# Altium PCB Digitalizador_RPi.PcbDoc (part 3 of 3)
Units mm, origin at the board's own origin, x right, y up, seen from the top; angles counter-clockwise.
Board outline 132.08 x 105.41 mm, 2 copper layers (Top Layer, Bottom Layer); 278 components, 186 nets, 854 pads, 225 vias.
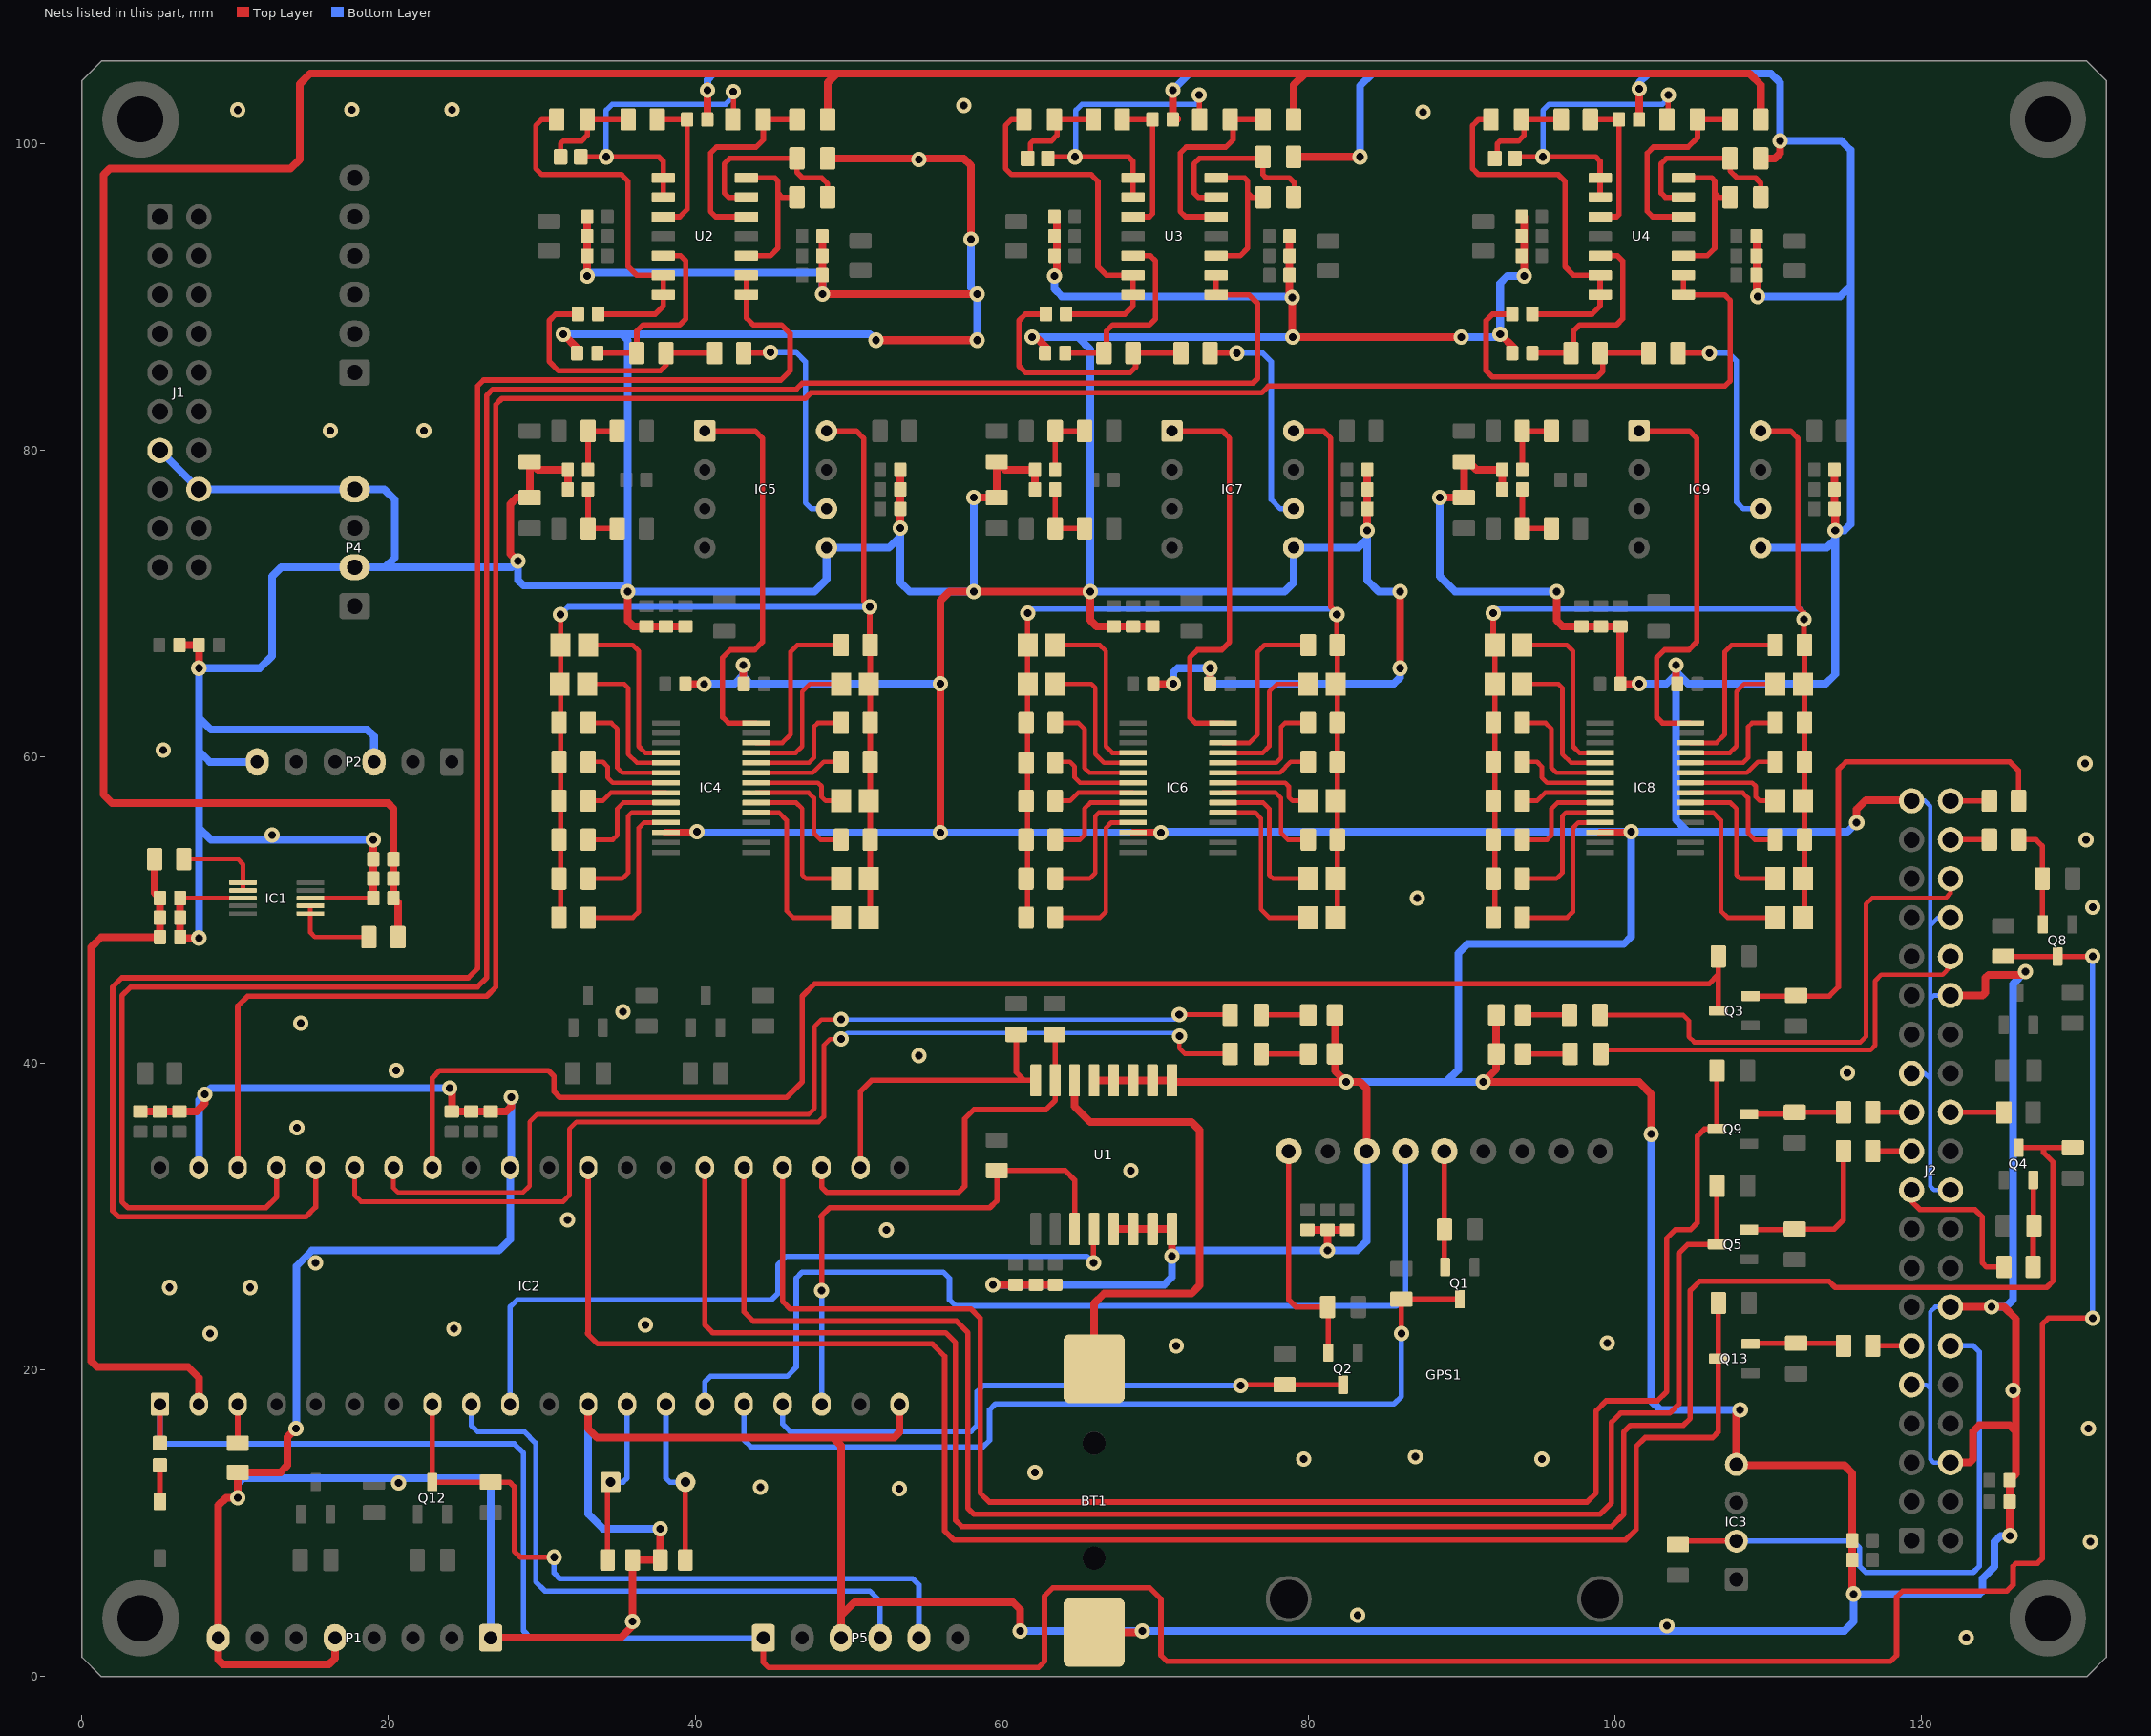
[diagram p3: the nets of this part, all layers, seen from the top]

## Via types
v1: diameter 1, hole 0.5, Top Layer to Bottom Layer, tented both sides, 225 vias

## Nets (pads, with @x,y where several pads share a name; then routed paths per layer and width w, separated by ;. In a path a pad name is that pad's centre, name@x,y a point inside that pad or via, vN(x,y) a via of type N, cw(c..) or ccw(c..) an arc to the next point about the centre after c; other vN are vias at no path point) (continued)
GND: BT1.2 C1.2 C2.2 C3.2 C4.2 C5.2 C6.2 C7.2 C8.2 C9.2 C10.2 C11.2 C12.2 C13.2 C14.2 C15.2 C16.2 C17.2 C18.2 C19.2 C20.2 C21.2 C22.2 C23.2 C24.2 C25.1 C26.1 C29.2 C30.2 C31.2 C32.2 C33.2 C34.2 C35.1 C36.2 C37.2 C39.2 C40.2 C41.2 C42.2 C43.2 C44.2 C45.2 C46.2 C47.2 C50.2 C51.2 C52.2 C53.2 C54.2 C55.2 C56.1 C57.2 C58.2 C60.2 C61.2 C62.2 C63.2 C64.2 C65.2 C66.2 C67.2 C68.2 C71.2 C72.2 C73.2 C74.2 C75.2 C76.2 C77.1 C78.2 C79.2 C81.2 C82.2 C83.2 C84.2 C85.2 C86.2 C87.2 C88.2 C89.2 D2.1 D3.1 D4.1 D5.1 GPS1.2 IC1.3 IC1.8 IC2.12 IC2.20 IC2.31 IC2.39 IC3.4 IC4.12 IC5.5 IC6.12 IC7.5 IC8.12 IC9.5 J1.13 J1.16 J2.6 J2.9 J2.14 J2.20 J2.25 J2.30 J2.34 J2.39 P1.1 P1.5 P1.8 P2.3 P2.6 P4.2 P4.4 P5.3 R18.1 R56.1 R72.2 R80.1 R90.1 R106.2 R114.1 R124.1 R140.2 R148.1 U1.5 U1.6 U1.7 U1.8 U1.9 U1.10 U1.11 U1.12 U1.13 | length 1327.8
  Top Layer w0.3: C4.2@6.4,50.8 IC1.3@10.5,50.8 ; IC1.8@14.9,50.8 C9.2@19,50.8
  Top Layer w0.5: C22.2@3.81,36.88 C23.2@5.08,36.88 C24.2@6.35,36.88 7.48,36.88 8,37.4 v1(8,38) ; C7.2@6.35,67.31 C8.2@7.62,67.31 v1(7.62,65.8) ; C4.2@6.4,50.8 C5.2@6.4,49.53 C6.2@6.4,48.26 6.46,48.2 v1(7.62,48.2) ; v1(13.97,16.2) 13.4,15.63 13.4,13.79 12.95,13.34 R18.1@10.16,13.34 v1(10.16,11.684) 9.4,11.684 8.89,11.174 P1.8@8.89,2.54 8.89,1.11 9.2,0.8 16.11,0.8 16.51,1.2 P1.5@16.51,2.54 ; C9.2@19,50.8 C10.2@19,52.07 C11.2@19,53.34 v1(19,54.61) ; v1(24,38.4) 24.13,38.27 C19.2@24.13,36.88 C20.2@25.4,36.88 C21.2@26.67,36.88 27.68,36.88 28,37.2 v1(28,37.8) ; P1.1@26.67,2.54 35.14,2.54 35.93,3.33 v1(35.93,3.6) C25.1@35.93,7.62 C26.1@37.73,7.62 v1(37.73,9.652) ; v1(28.45,72.8) 28.4,72.8 27.94,73.26 27.94,76.51 28.36,76.93 R56.1@29.21,76.93 R72.2@29.21,79.28 29.75,78.74 C39.2@31.7,78.74 C35.1@31.7,77.47 ; v1(31.4,87.6) 32.31,86.69 C40.2@32.31,86.36 ; v1(32.97,91.4) C31.2@32.97,92.71 C30.2@32.97,93.98 C29.2@32.97,95.25 ; IC2.12@33.02,17.78 33.02,16.18 33.6,15.6 49,15.6 ; v1(35.6,70.8) 35.6,68.91 35.98,68.53 C45.2@36.83,68.53 C46.2@38.1,68.53 C47.2@39.37,68.53 ; IC4.12@38.1,55.08 40.094,55.08 v1(40.132,55.118) ; C36.2@39.37,64.77 v1(40.6,64.77) ; C41.2@40.798,101.6 v1@40.798,103.798 ; v1(43.154,66) 43.154,64.796 C37.2@43.18,64.77 ; C32.2@48.31,93.98 C33.2@48.31,92.71 C34.2@48.31,91.44 v1(48.31,90.2) v1(58.4,90.2) ; R80.1@48.65,99.06 57.54,99.06 58,98.6 v1(58,93.8) ; P5.3@49.53,2.54 49.53,4 ; v1(51.8,87.2) v1(58.4,87.2) ; IC2.20@53.34,17.78 53.34,15.94 53,15.6 49,15.6 ; C44.2@53.39,78.74 C43.2@53.39,77.47 C42.2@53.39,76.2 53.39,74.94 v1(53.4,74.93) ; v1(56,55.08) v1(56,64.8) 56,70.2 56.6,70.8 v1(58.2,70.8) v1(65.8,70.8) 65.8,68.934 66.204,68.53 C66.2@67.31,68.53 C67.2@68.58,68.53 C68.2@69.85,68.53 ; v1(58.2,76.93) R90.1@59.69,76.93 R106.2@59.69,79.28 60.23,78.74 C60.2@62.18,78.74 C56.1@62.18,77.47 ; v1(59.436,25.581) C14.2@60.91,25.581 C13.2@62.23,25.581 C12.2@63.5,25.581 ; v1(61.2,3) 61.2,4.4 60.73,4.87 50.4,4.87 49.53,4 ; v1@62.052,87.6 62.962,86.69 C61.2@62.962,86.36 ; v1@63.622,91.4 C50.2@63.622,95.25 ; BT1.2@66.04,2.89 69.09,2.89 v1(69.2,3) ; U1.13@66.04,38.91 U1.12@67.31,38.91 U1.11@68.58,38.91 U1.10@69.85,38.91 U1.9@71.12,38.91 71.23,38.8 v1(82.48,38.8) ; U1.5@67.31,29.21 U1.6@68.58,29.21 U1.7@69.85,29.21 U1.8@71.12,29.21 v1(71.12,27.432) ; IC6.12@68.58,55.08 v1(70.4,55.08) ; C57.2@69.9,64.77 71.17,64.77 v1(71.2,64.8) ; v1(71.17,103.518) 71.17,101.88 C62.2@71.45,101.6 ; v1(73.6,65.8) 73.6,64.78 C58.2@73.61,64.77 ; C53.2@78.79,93.98 C54.2@78.79,92.71 C55.2@78.79,91.44 78.79,90.172 v1(78.962,90) 78.962,87.438 v1(79,87.4) v1(90,87.4) ; R114.1@79.06,99.162 v1(83.4,99.162) ; C3.2@79.96,29.16 C2.2@81.28,29.16 ; v1(81.28,27.8) C2.2@81.28,29.16 ; D3.1@81.76,43.18 D2.1@81.76,40.64 81.76,39.52 v1(82.48,38.8) ; C1.2@82.55,29.16 C2.2@81.28,29.16 ; GPS1.2@83.82,34.29 83.82,38.38 83.4,38.8 v1(82.48,38.8) ; v1(83.87,74.8) C65.2@83.87,76.2 C64.2@83.87,77.47 C63.2@83.87,78.74 ; v1(86,65.8) v1(86,70.8) ; v1(88.6,76.93) R124.1@90.17,76.93 R140.2@90.17,79.28 90.46,79.28 91,78.74 C81.2@92.66,78.74 C77.1@92.66,77.47 ; D5.1@92.28,43.18 D4.1@92.28,40.64 92.28,39.64 v1(91.44,38.8) 101.6,38.8 102.4,38 v1(102.4,35.4) ; v1(92.532,87.6) 93.442,86.69 C82.2@93.442,86.36 ; v1(94.102,91.4) C71.2@94.102,95.25 ; v1(96.214,70.8) 96.214,68.926 96.61,68.53 C87.2@97.84,68.53 C88.2@99.11,68.53 C89.2@100.38,68.53 C78.2@100.38,64.77 101.57,64.77 v1(101.6,64.8) ; IC8.12@99.06,55.08 100.838,55.08 100.876,55.118 v1(101.092,55.118) ; C83.2@101.6,101.93 v1@101.6,103.468 ; v1(104,66) 104,64.86 C79.2@104.09,64.77 ; v1(108.2,17.4) 107.95,17.15 IC3.4@107.95,13.85 108.01,13.79 115,13.79 115.52,13.27 C15.2@115.52,8.89 C16.2@115.52,7.62 115.52,5.48 v1(115.6,5.4) ; C74.2@109.27,93.98 C75.2@109.27,92.71 C76.2@109.27,91.44 109.27,90.13 v1(109.335,90.065) ; R148.1@109.54,99.06 110.46,99.06 110.8,99.4 v1(110.8,100.2) ; C84.2@114.35,78.74 C85.2@114.35,77.47 C86.2@114.35,76.2 114.4,76.15 v1(114.4,74.8) ; v1(115.8,55.73) 115.8,56.6 116.4,57.2 119.33,57.2 J2.39@119.38,57.15 ; J2.6@121.92,13.97 123.17,13.97 123.4,14.2 123.4,16 123.8,16.4 125.78,16.4 126.2,15.98 ; J2.14@121.92,24.13 v1(124.6,24.13) 125.41,24.13 126.2,23.34 126.2,15.98 ; J2.30@121.92,44.45 124.01,44.45 124.2,44.64 124.2,45.6 124.4,45.8 126.6,45.8 v1(126.8,46) ; v1(125.8,9.2) 125.8,11.41 C17.2@125.78,11.43 C18.2@125.78,12.82 126.2,13.24 126.2,15.98 ; 49,15.6 49.53,15.07 49.53,4
  Bottom Layer w0.3: J2.9@119.38,19.05 120.35,19.05 120.6,18.8 ; J2.25@119.38,39.37 120.23,39.37 120.6,39 ; J2.39@119.38,57.15 120.25,57.15 120.6,56.8 120.6,49 ; J2.6@121.92,13.97 120.83,13.97 120.6,14.2 120.6,18.8 ; J2.14@121.92,24.13 120.93,24.13 120.6,23.8 120.6,18.8 ; J2.20@121.92,31.75 120.85,31.75 120.6,32 120.6,39 ; J2.30@121.92,44.45 120.85,44.45 120.6,44.2 ; J2.34@121.92,49.53 121.13,49.53 120.6,49 ; 120.6,39 120.6,44.2 ; 120.6,44.2 120.6,49
  Bottom Layer w0.5: J1.13@5.08,80.01 J1.16@7.62,77.47 P4.4@17.78,77.47 19.73,77.47 20.4,76.8 20.4,73 19.79,72.39 ; IC2.39@7.62,33.21 7.62,37.62 v1(8,38) 8.4,38.4 v1(24,38.4) ; v1(7.62,48.2) 7.62,55.4 ; v1(10.16,11.684) 10.16,12.6 10.514,12.954 26,12.954 26.67,12.284 P1.1@26.67,2.54 ; P2.6@11.43,59.69 8.33,59.69 7.62,60.4 ; v1(13.97,16.2) 14,16.23 14,26.8 15,27.8 27.2,27.8 27.94,28.54 IC2.31@27.94,33.21 28,33.27 v1(28,37.8) ; v1(19,54.61) 8.41,54.61 7.62,55.4 ; P2.3@19.05,59.69 19.05,61.35 18.6,61.8 8.4,61.8 7.62,62.58 ; v1(31.4,87.6) 35.2,87.6 ; v1(32.97,91.4) 33.17,91.6 48,91.6 48.31,91.29 v1(48.31,90.2) ; IC2.12@33.02,17.78 33.02,10.632 34,9.652 v1(37.73,9.652) ; v1(40.132,55.118) 40.17,55.08 v1(56,55.08) v1(70.4,55.08) 70.438,55.118 v1(101.092,55.118) ; v1(40.6,64.77) 40.63,64.8 42.6,64.8 43.154,65.354 ; v1(40.8,103.518) 40.8,104.2 41.2,104.6 72.252,104.6 ; v1(43.154,66) 43.154,65.354 ; v1(51.8,87.2) 51.4,87.6 35.2,87.6 ; v1(53.4,74.93) 53.4,74.4 ; v1(56,64.8) 43.6,64.8 43.154,65.246 43.154,65.354 ; v1(58,93.8) 58,90.6 v1(58.4,90.2) v1(58.4,87.2) ; v1(58.2,76.93) v1(58.2,70.8) 54,70.8 53.4,71.4 53.4,74.4 ; v1(59.436,25.581) 70.621,25.581 71.12,26.08 v1(71.12,27.432) 71.488,27.8 v1(81.28,27.8) 83.2,27.8 83.82,28.42 GPS1.2@83.82,34.29 ; v1(61.2,3) v1(69.2,3) 115,3 115.6,3.6 v1(115.6,5.4) 123.8,5.4 124,5.6 124,6.4 124.8,7.2 124.8,8.8 125.2,9.2 v1(125.8,9.2) ; v1(62,87.4) 65,87.4 ; v1(63.45,91.4) 63.45,90.55 63.935,90.065 78.897,90.065 v1(78.962,90) ; v1(71.17,103.518) 72.252,104.6 ; v1(71.2,64.8) 71.2,65.52 71.48,65.8 v1(73.6,65.8) 73.6,65 73.8,64.8 85.6,64.8 86,65.2 v1(86,65.8) ; v1(79,87.4) 65,87.4 ; v1(82.48,38.8) 89,38.8 ; v1(83.4,99.162) 83.4,103.8 84.2,104.6 ; v1(83.87,74.8) 83.87,74.27 ; v1(86,70.8) 84.6,70.8 83.87,71.53 83.87,74.27 ; v1(88.6,76.93) 88.6,71.8 89.6,70.8 v1(96.214,70.8) ; v1(90,87.4) 92.332,87.4 v1(92.532,87.6) 92.532,90.932 93,91.4 v1(94.102,91.4) ; v1(91.44,38.8) 89,38.8 ; v1(101.6,64.8) 103.4,64.8 104,65.4 ; v1(101.6,103.6) 101.6,104 102.2,104.6 ; v1(102.4,35.4) 102.4,18 103,17.4 v1(108.2,17.4) ; v1(104,66) v1@104,65.6 ; v1(109.335,90.065) 114.735,90.065 115.4,90.73 ; IC9.5@109.54,73.66 113.86,73.66 114.4,74.2 ; v1(115.8,55.73) 115.188,55.118 104.8,55.118 ; v1(124.6,24.13) 125.53,24.13 126,24.6 126,45.2 v1(126.8,46) ; 7.62,55.4 7.62,60.4 ; 7.62,60.4 7.62,62.58 ; 7.62,62.58 v1(7.62,65.8) 11.6,65.8 12.4,66.6 12.4,71.8 12.99,72.39 P4.2@17.78,72.39 19.79,72.39 ; 19.79,72.39 28.04,72.39 v1(28.45,72.8) 28.45,71.55 28.8,71.2 35.2,71.2 v1(35.6,70.8) ; 35.2,87.6 35.6,87.2 v1(35.6,70.8) ; v1(35.6,70.8) 47.8,70.8 48.6,71.6 48.58,71.62 IC5.5@48.58,73.66 52.66,73.66 53.4,74.4 ; 65,87.4 65.8,86.6 v1(65.8,70.8) 78.46,70.8 79.06,71.4 IC7.5@79.06,73.66 83.26,73.66 83.87,74.27 ; 72.252,104.6 84.2,104.6 ; 84.2,104.6 102.2,104.6 ; 89,38.8 89.8,39.6 89.8,47.2 90.4,47.8 100.6,47.8 101.092,48.292 v1(101.092,55.118) ; v1(101.092,55.118) 104.8,55.118 ; 102.2,104.6 110.2,104.6 110.8,104 v1(110.8,100.2) 114.8,100.2 115.4,99.6 115.4,90.73 ; 104,65.4 v1@104,65.6 ; 104,65.4 104,55.918 104.8,55.118 ; v1@104,65.6 104.8,64.8 113.8,64.8 114.4,65.4 114.4,74.2 ; 114.4,74.2 v1(114.4,74.8) 115,74.8 115.4,75.2 115.4,90.73
  other v1: 122.949,2.54 103.41,3.337 83.24,4.01 131.063,8.8 53.34,12.282 44.263,12.352 20.658,12.648 62.18,13.342 79.727,14.196 95.25,14.196 87,14.352 130.931,16.2 126,18.675 71.404,21.59 99.538,21.76 8.359,22.4 24.269,22.693 36.751,22.955 5.715,25.4 10.957,25.4 15.24,27 52.482,29.16 31.671,29.819 68.443,33.02 14.029,35.83 115.188,39.413 20.487,39.55 54.61,40.531 14.267,42.64 35.291,43.377 131.2,50.223 87.137,50.8 130.767,54.61 12.392,54.906 130.716,59.6 5.3,60.466 16.189,81.29 22.303,81.29 54.6,99 87.497,102.071 10.16,102.214 17.6,102.235 24.13,102.235 57.54,102.513
INT_FROM_PIC_3.3V: Q13.2 R27.1 R43.2 | length 6.2
  Top Layer w0.35: Q13.2@108.87,21.72 108.91,21.76 R43.2@111.85,21.76 114.77,21.76 R27.1@114.94,21.59
INT_FROM_PIC_5V: IC2.29 Q13.3 R44.2 | length 111.4
  Top Layer w0.35: IC2.29@33.02,33.21 33.02,22.45 32.97,22.4 33.65,21.72 55.48,21.72 56.29,20.91 56.29,9.51 56.881,8.919 100.719,8.919 101.4,9.6 101.4,15 102,15.6 106.4,15.6 106.77,15.97 Q13.3@106.77,20.76 R44.2@106.77,24.39
MCLR: IC2.1 P5.1 Q8.3 R13.1 R26.2 | length 204.2
  Top Layer w0.35: R13.1@5.08,15.24 IC2.1@5.08,17.78 ; P5.1@44.45,2.54 44.45,0.95 44.8,0.6 62.4,0.6 62.8,1 62.8,5.26 63.34,5.8 69.68,5.8 70.4,5.08 70.4,1.4 70.8,1 118,1 118.4,1.4 118.4,5.2 118.8,5.6 125.6,5.6 126,6 126,7.2 126.2,7.4 127.6,7.4 127.91,7.71 127.91,23 128.31,23.4 v1(131.2,23.4) ; R26.2@125.37,46.99 Q8.3@128.91,46.99 v1(131.2,46.99)
  Bottom Layer w0.35: IC2.1@5.08,17.78 5.08,15.52 5.4,15.2 28.2,15.2 28.8,14.6 28.8,3 29.26,2.54 P5.1@44.45,2.54 ; v1(131.2,23.4) v1(131.2,46.99)
MISO_RPI_3.3V: Q5.2 R16.2 R30.1 | length 10.9
  Top Layer w0.35: Q5.2@108.78,29.17 111.72,29.17 R16.2@111.76,29.21 114.34,29.21 114.93,29.8 114.93,34.28 R30.1@114.94,34.29
MISO_RPI_5V: IC2.25 Q5.3 R17.2 | length 105
  Top Layer w0.35: IC2.25@43.18,33.21 43.18,23.82 43.8,23.2 57.05,23.2 57.8,22.45 57.8,11 58.2,10.6 99.05,10.6 99.8,11.35 99.8,16.6 100.4,17.2 103.596,17.2 103.6,17.196 104.2,17.796 104.2,27.63 104.78,28.21 Q5.3@106.68,28.21 R17.2@106.68,32.02
MOSI_RPI_3.3V: Q4.2 R14.2 R29.1 | length 5.7
  Top Layer w0.35: R29.1@127.31,26.735 127.31,29.381 R14.2@127.36,29.431 127.32,29.471 Q4.2@127.32,32.411
MOSI_RPI_5V: IC2.26 Q4.3 R15.2 | length 138
  Top Layer w0.35: IC2.26@40.64,33.21 40.64,22.96 41.15,22.45 56.35,22.45 57,21.8 57,10.2 57.4,9.8 99.8,9.8 100.6,10.6 100.6,15.97 101.03,16.4 104.49,16.4 104.936,16.846 104.936,25.2 105.536,25.8 114,25.8 114.4,25.4 128.2,25.4 128.6,25.8 128.6,33.6 128,34.2 128,34.521 ; Q4.3@126.36,34.511 126.37,34.521 128,34.521 ; R15.2@129.91,34.521 128,34.521
NetBT1_1: BT1.1 U1.14 | length 32.3
  Top Layer w0.5: U1.14@64.77,38.91 64.77,37.208 65.778,36.2 72.39,36.2 72.93,35.66 72.93,25.53 72.4,25 66.68,25 66.04,24.36 BT1.1@66.04,20.09
NetC27_1: C27.1 R61.2 R62.1 | length 16.7
  Top Layer w0.35: C27.1@32.36,88.9 30.9,88.9 30.48,88.48 30.48,85.82 31.1,85.2 37.73,85.2 38.1,85.57 R62.1@38.1,86.36 R61.2@41.28,86.36
NetC27_2: C27.2 R65.1 U2.6 U2.7 | length 25.3
  Top Layer w0.35: R65.1@30.97,101.6 30,101.6 29.6,101.2 29.6,98.4 30,98 35.2,98 35.634,97.566 35.634,92 36.194,91.44 U2.6@37.928,91.44 U2.7@37.928,90.17 37.928,89.428 37.4,88.9 C27.2@33.68,88.9
NetC28_1: C28.1 R65.2 R66.1 | length 6.5
  Top Layer w0.35: C28.1@31.22,99.162 31.22,100.02 31.4,100.2 32.6,100.2 32.97,100.57 R65.2@32.97,101.6 R66.1@35.634,101.6
NetC28_2: C28.2 R69.1 U2.1 U2.2 | length 21.7
  Top Layer w0.35: C28.2@32.54,99.162 v1(34.2,99.162) 37.638,99.162 37.928,98.872 U2.1@37.928,97.79 U2.2@37.928,96.52 ; R69.1@42.45,101.6 42.4,101.65 42.5,101.75 v1(42.5,103.4)
  Bottom Layer w0.35: v1(34.2,99.162) 34.2,102.2 34.6,102.6 42,102.6 42.5,103.1 v1(42.5,103.4)
NetC35_2: C35.2 R49.2 R50.1 | length 4.4
  Top Layer w0.35: C35.2@33.02,77.47 R49.2@33.02,74.93 R50.1@34.93,74.93
NetC39_1: C39.1 R75.2 R76.1 | length 4.4
  Top Layer w0.35: C39.1@33.02,78.74 R75.2@33.02,81.28 R76.1@34.93,81.28
NetC40_1: C40.1 R62.2 U2.5 | length 12.9
  Top Layer w0.35: C40.1@33.63,86.36 R62.2@36.2,86.36 36.2,87.8 36.6,88.2 39,88.2 39.4,88.6 39.4,92.37 39.06,92.71 U2.5@37.928,92.71
NetC41_1: C41.1 R66.2 U2.3 | length 9.6
  Top Layer w0.35: R66.2@37.534,101.6 C41.1@39.478,101.6 39.478,95.728 39,95.25 U2.3@37.928,95.25
NetC48_1: C48.1 R95.2 R96.1 | length 17.1
  Top Layer w0.35: C48.1@63.012,88.9 C48.1@62.89,88.9 61.552,88.9 61.132,88.48 61.132,85.518 61.56,85.09 68.4,85.09 68.752,85.442 68.752,86.36 R95.2@71.71,86.36 R95.2@71.932,86.36
NetC48_2: C48.2 R99.1 U3.6 U3.7 | length 25.3
  Top Layer w0.35: R99.1@61.622,101.6 60.652,101.6 60.252,101.2 60.252,98.4 60.652,98 65.852,98 66.286,97.566 66.286,92 66.846,91.44 U3.6@68.58,91.44 U3.7@68.58,90.17 68.58,89.428 68.052,88.9 C48.2@64.332,88.9
NetC49_1: C49.1 R99.2 R100.1 | length 6.5
  Top Layer w0.35: C49.1@61.872,99.162 61.872,100.02 62.052,100.2 63.252,100.2 63.622,100.57 63.622,101.6 R100.1@66.286,101.6
NetC49_2: C49.2 R103.1 U3.1 U3.2 | length 21.3
  Top Layer w0.35: C49.2@63.192,99.162 68.29,99.162 68.58,98.872 U3.1@68.58,97.79 U3.2@68.58,96.52 ; v1(72.9,103.2) 72.9,102.03 73,101.93 72.8,101.73 R103.1@72.93,101.6 ; R103.1@73.052,101.65 R103.1@73.102,101.6
  Bottom Layer w0.35: v1@64.852,99.162 64.852,102.2 65.252,102.6 72.652,102.6 v1@73.052,103
  other v1: 64.8,99.162
NetC56_2: C56.2 R83.2 R84.1 | length 4.4
  Top Layer w0.35: C56.2@63.5,77.47 R83.2@63.5,74.93 R84.1@65.41,74.93
NetC60_1: C60.1 R109.2 R110.1 | length 4.4
  Top Layer w0.35: C60.1@63.5,78.74 R109.2@63.5,81.28 R110.1@65.41,81.28
NetC61_1: C61.1 R96.2 U3.5 | length 12.9
  Top Layer w0.35: C61.1@64.282,86.36 66.852,86.36 66.852,87.8 67.252,88.2 69.652,88.2 70.052,88.6 70.052,92.37 69.712,92.71 U3.5@68.58,92.71
NetC62_1: C62.1 R100.2 U3.3 | length 9.2
  Top Layer w0.35: R100.2@68.186,101.6 C62.1@69.85,101.6 69.85,95.448 69.652,95.25 U3.3@68.58,95.25
NetC69_1: C69.1 R129.2 R130.1 | length 17.6
  Top Layer w0.35: C69.1@93.492,88.9 92.032,88.9 91.612,88.48 91.612,85.21 92.022,84.8 98.862,84.8 99.232,85.17 99.232,86.36 R129.2@102.412,86.36
NetC69_2: C69.2 R133.1 U4.6 U4.7 | length 25.3
  Top Layer w0.35: R133.1@92.102,101.6 91.132,101.6 90.732,101.2 90.732,98.4 91.132,98 96.332,98 96.766,97.566 96.766,92 97.326,91.44 U4.6@99.06,91.44 U4.7@99.06,90.17 99.06,89.428 98.532,88.9 C69.2@94.812,88.9
NetC70_1: C70.1 R133.2 R134.1 | length 6.5
  Top Layer w0.35: C70.1@92.352,99.162 92.352,100.02 92.532,100.2 93.732,100.2 94.102,100.57 94.102,101.6 R134.1@96.766,101.6
NetC70_2: C70.2 R137.1 U4.1 U4.2 | length 21.3